# Altium PCB Mainboard_V1.0.PcbDoc (part 2 of 4) (continued)
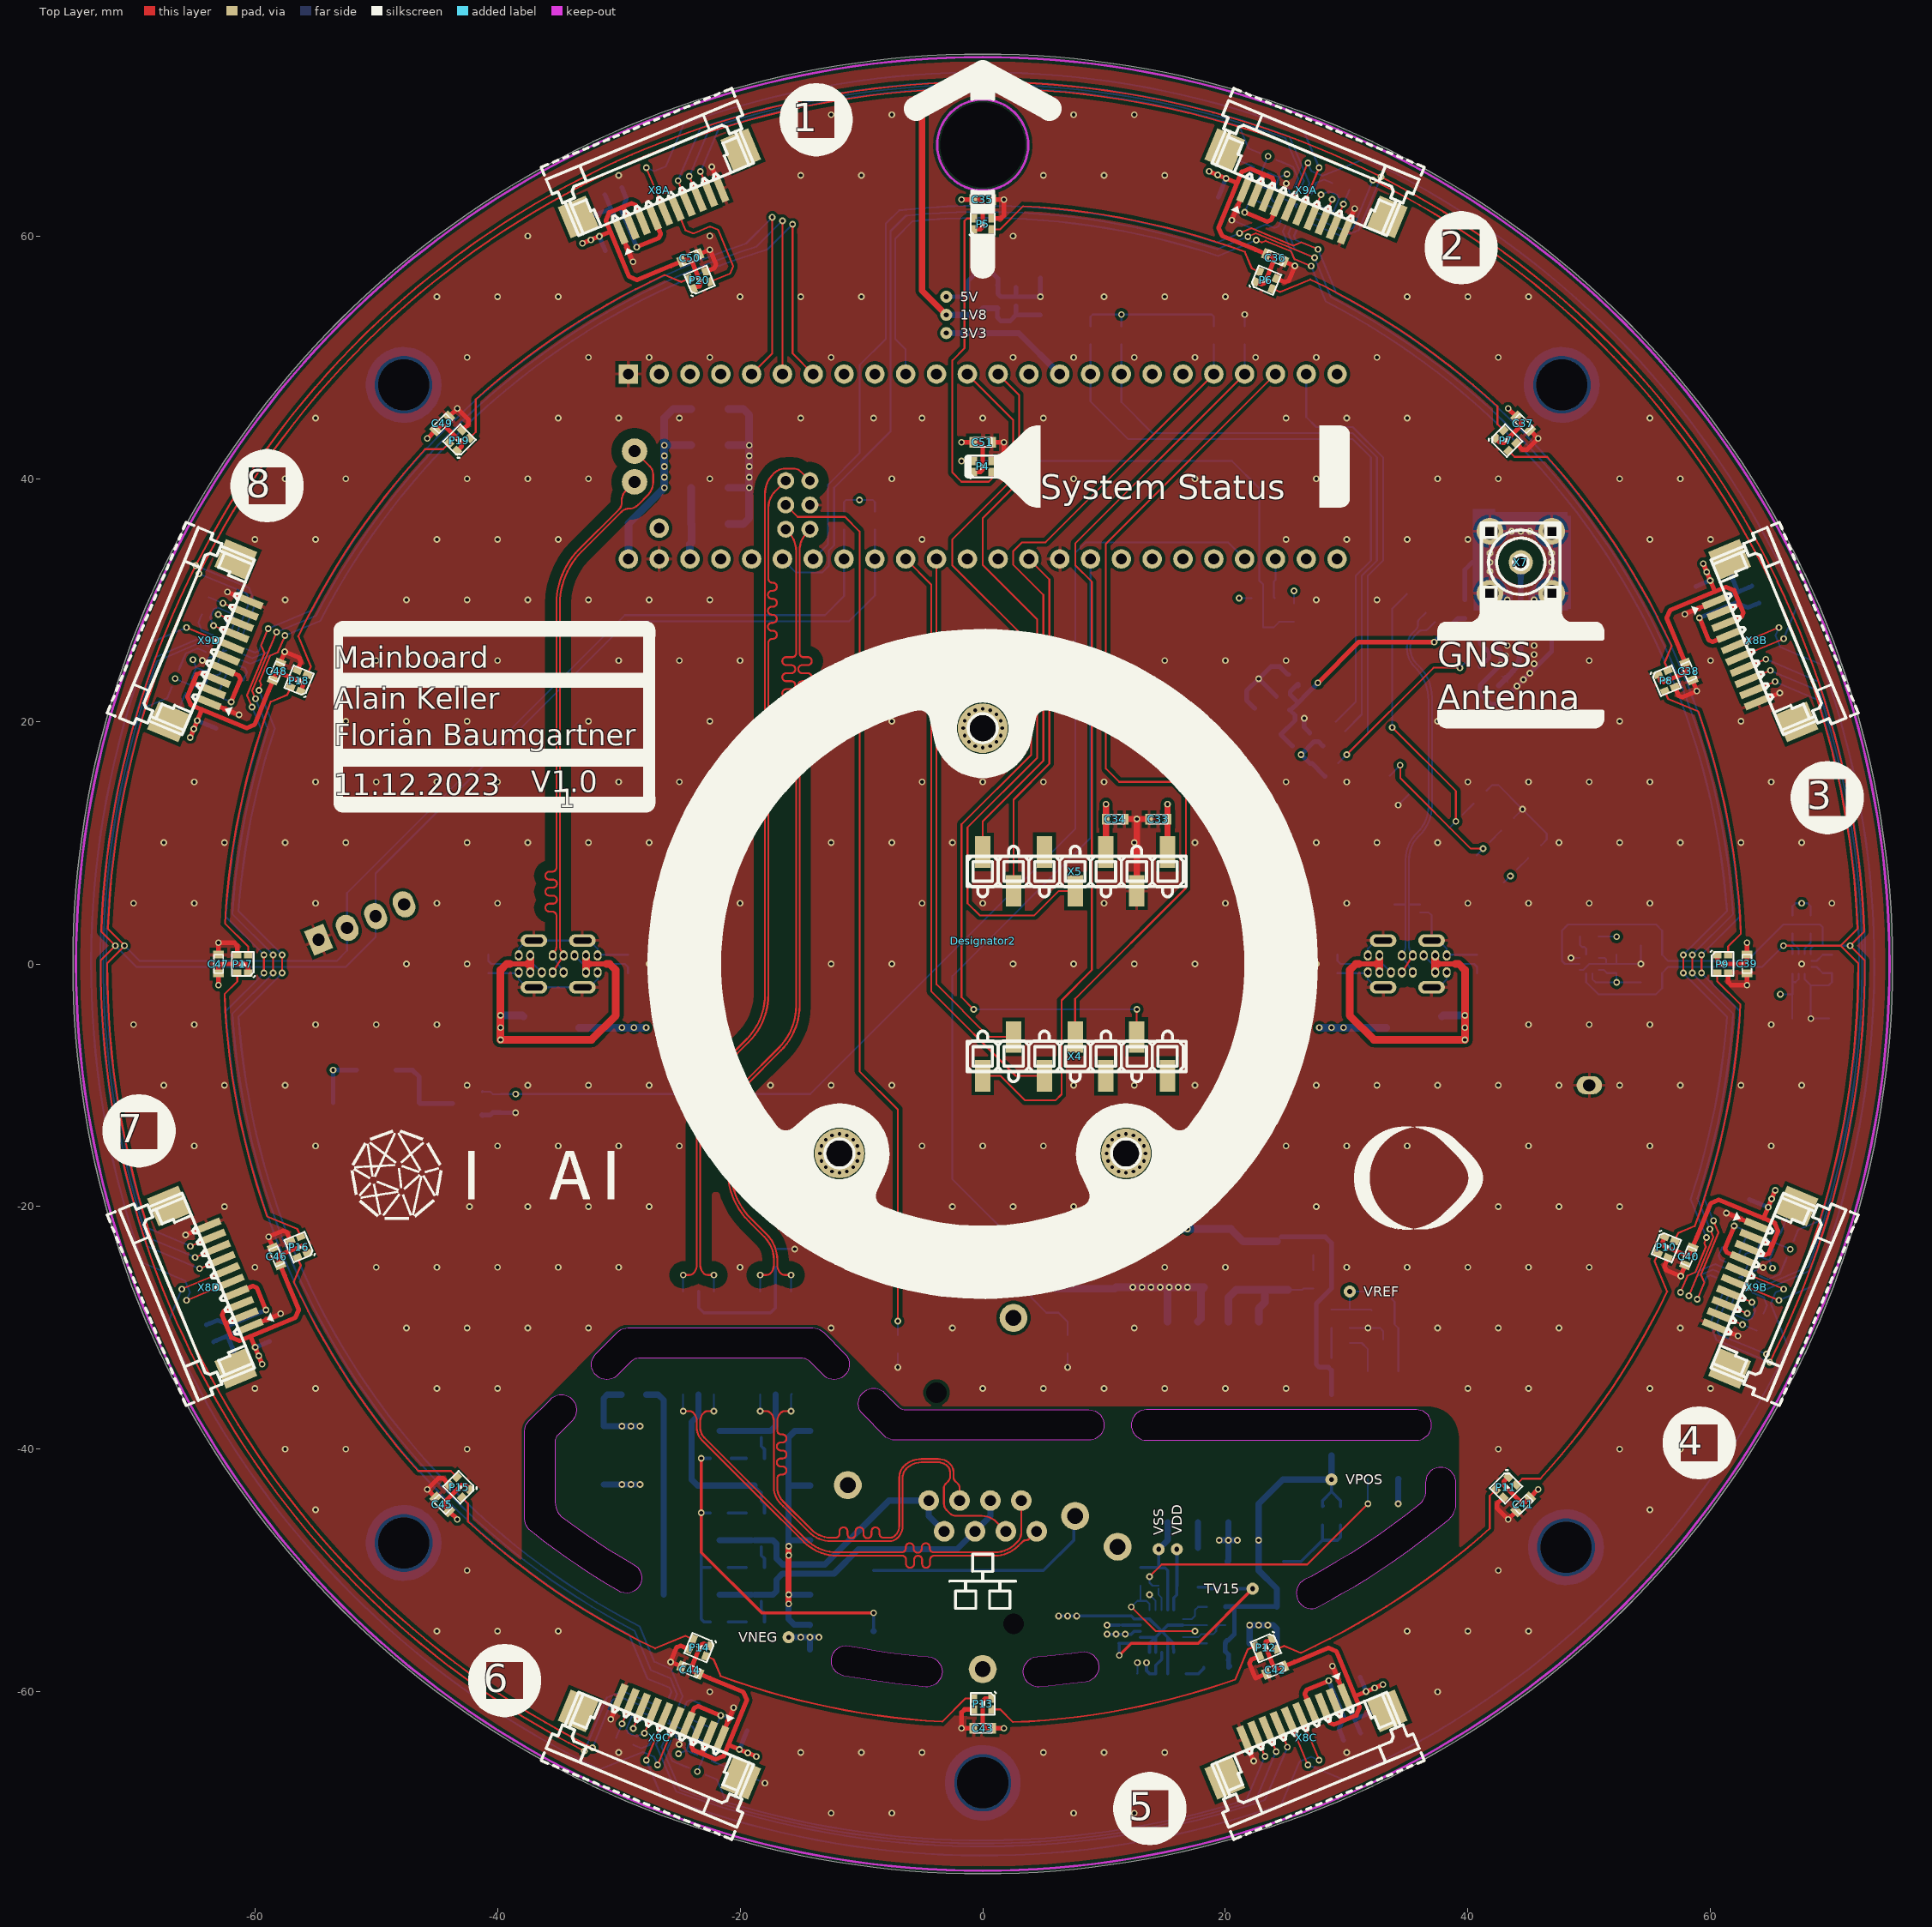
[diagram p0: Top Layer view]
## Nets (pads, with @x,y where several pads share a name; then routed paths per layer and width w, separated by ;. In a path a pad name is that pad's centre, name@x,y a point inside that pad or via, vN(x,y) a via of type N, cw(c..) or ccw(c..) an arc to the next point about the centre after c; other vN are vias at no path point) (continued)
  Top Layer w0.381: v1(-65.701,-22.345) -64.692,-21.926 X8D.10@-63.853,-21.578 ; X9D.1@-63.853,21.578 -63.011,21.23 -61.314,20.527 v1@-61.312,20.526 ; C47.1@-63,0.762 -63,0.889 v1(-63,1.75) -61.7,1.75 -61.45,1.5 P17.3@-61.45,0.877 ; v1(-62.257,30.658) -61.247,30.241 -60.408,29.894 X9D.10@-60.409,29.893 ; X8D.1@-59.568,-29.545 -57.871,-28.843 v1@-57.869,-28.842 ; C46.1@-58.496,-23.405 -58.545,-23.288 v1(-58.874,-22.492) -57.673,-21.995 -57.346,-22.13 P16.3@-57.108,-22.706 ; C48.1@-57.913,24.813 -57.864,24.93 v1(-57.535,25.726) -56.334,25.228 -56.198,24.902 P18.3@-56.437,24.326 ; C45.1@-45.087,-44.009 -45.176,-43.919 v1(-45.785,-43.31) -44.866,-42.391 -44.512,-42.391 P15.3@-44.072,-42.832 ; C49.1@-44.009,45.087 -43.919,45.176 v1(-43.31,45.785) -42.391,44.866 -42.391,44.512 P19.3@-42.832,44.072 ; v1(-30.658,-62.257) -30.241,-61.247 X9C.10@-29.893,-60.407 ; X8A.1@-29.545,59.568 -28.843,57.871 v1@-28.842,57.869 ; C44.1@-24.813,-57.913 -24.93,-57.864 v1(-25.726,-57.535) -25.228,-56.334 -24.902,-56.198 P14.3@-24.326,-56.437 ; C50.1@-23.405,58.496 -23.288,58.545 v1(-22.492,58.874) -21.995,57.673 -22.13,57.346 P20.3@-22.706,57.108 ; v1(-22.345,65.701) -21.926,64.692 X8A.10@-21.578,63.853 ; X9C.1@-21.578,-63.851 -21.23,-63.011 -20.527,-61.314 v1@-20.526,-61.312 ; P13.3@-0.877,-61.45 -1.5,-61.45 -1.75,-61.7 v1(-1.75,-63) -0.889,-63 C43.1@-0.762,-63 ; C51.1@0.762,43 0.889,43 v1(1.75,43) 1.75,41.7 1.5,41.45 P4.3@0.877,41.45 ; C35.1@0.762,63 0.889,63 v1(1.75,63) 1.75,61.7 1.5,61.45 P5.3@0.877,61.45 ; v1@20.526,61.312 20.527,61.314 21.23,63.011 X9A.1@21.578,63.853 ; X8C.10@21.578,-63.852 21.926,-64.692 v1(22.345,-65.701) ; P12.3@22.706,-57.108 22.13,-57.346 21.995,-57.673 22.492,-58.874 23.288,-58.545 C42.1@23.405,-58.496 ; P6.3@24.326,56.437 24.902,56.198 25.228,56.334 v1(25.726,57.535) 24.93,57.864 C36.1@24.813,57.913 ; v1@28.842,-57.869 28.843,-57.871 X8C.1@29.545,-59.568 ; X9A.10@29.893,60.407 29.894,60.408 30.241,61.247 v1(30.658,62.257) ; P11.3@42.832,-44.072 42.391,-44.512 42.391,-44.866 v1(43.31,-45.785) 43.919,-45.176 C41.1@44.009,-45.087 ; P7.3@44.072,42.832 44.512,42.391 44.866,42.391 v1(45.785,43.31) 45.176,43.919 C37.1@45.087,44.009 ; P10.3@56.437,-24.326 56.198,-24.902 56.334,-25.228 v1(57.535,-25.726) 57.864,-24.93 C40.1@57.913,-24.813 ; P8.3@57.108,22.706 57.346,22.13 57.673,21.995 v1(58.874,22.492) 58.545,23.288 C38.1@58.496,23.405 ; v1@57.869,28.842 57.871,28.843 X8B.1@59.568,29.545 ; X9B.10@60.407,-29.893 60.408,-29.894 61.247,-30.241 v1(62.257,-30.658) ; v1@61.312,-20.526 61.314,-20.527 63.011,-21.23 X9B.1@63.851,-21.578 ; P9.3@61.45,-0.877 61.45,-1.5 61.7,-1.75 v1(63,-1.75) 63,-0.889 C39.1@63,-0.762 ; X8B.10@63.853,21.578 64.692,21.926 v1(65.701,22.345)
  Top Layer w0.508: C34.1@11.684,11.938 v1(12.7,11.938) ; X5.6@12.7,6.02 v1(12.7,11.938) ; C33.1@13.716,11.938 v1(12.7,11.938)
  Mid-Layer 2 w0.152: X1.B1@-38.25,-0.7 X1.A12@-38.25,0.7 ; X6.G1@33,-1.93 X6.G2@37,-1.93 ; X6.G3@33,1.93 X6.G4@37,1.93 ; X6.A12@38.25,-0.7 X6.B1@38.25,0.7
  Mid-Layer 2 w0.381: v1(-65.701,-22.345) -65.008,-22.058 -64.355,-22.328 -62.155,-27.64 -61.294,-29.719 -60.66,-29.981 v1(-57.877,-28.828) ; v1(-64.322,25.019) -64.091,24.924 -63.398,24.637 ; -63.494,-24.407 v1(-58.874,-22.492) ; v1(-62.257,30.658) -61.564,30.371 -61.293,29.718 -62.154,27.639 ; v1(-61.309,20.541) -64.092,21.694 -64.355,22.327 -63.493,24.406 -63.398,24.637 ; v1(-57.535,25.726) -62.154,27.639 ; v1(-30.658,-62.257) -30.371,-61.564 -29.718,-61.293 -27.639,-62.154 ; v1(-28.828,57.877) -29.981,60.66 -29.719,61.294 -27.64,62.155 -22.328,64.355 -22.058,65.008 v1(-22.345,65.701) ; v1(-25.726,-57.535) -27.639,-62.154 ; v1(-25.019,-64.322) -24.924,-64.091 -24.637,-63.398 ; -24.407,63.494 v1(-22.492,58.874) ; v1(-20.541,-61.309) -21.694,-64.092 -22.327,-64.355 -24.406,-63.493 -24.637,-63.398 ; v1(20.541,61.309) 21.694,64.092 22.327,64.355 24.406,63.493 24.637,63.398 ; v1(22.345,-65.701) 22.058,-65.008 22.328,-64.355 27.64,-62.155 29.719,-61.294 29.981,-60.66 v1(28.828,-57.877) ; 22.493,-58.875 24.407,-63.494 ; v1(25.019,64.322) 24.924,64.091 24.637,63.398 ; v1(25.726,57.535) 27.639,62.154 ; v1(30.658,62.257) 30.371,61.564 29.718,61.293 27.639,62.154 ; v1(57.535,-25.726) 62.154,-27.639 ; v1(57.877,28.828) 60.66,29.981 61.294,29.719 62.155,27.64 64.355,22.328 65.008,22.058 v1(65.701,22.345) ; v1@58.875,22.493 63.494,24.407 ; v1(61.309,-20.541) 64.092,-21.694 64.355,-22.327 63.493,-24.406 63.398,-24.637 ; v1(62.257,-30.658) 61.564,-30.371 61.293,-29.718 62.154,-27.639 ; v1(64.322,-25.019) 64.091,-24.924 63.398,-24.637 ; -63.398,24.637 -62.154,27.639 ; -27.639,-62.154 -24.637,-63.398 ; 24.637,63.398 27.639,62.154 ; 62.154,-27.639 63.398,-24.637
  Mid-Layer 2 w0.635: U2.1@-29.21,48.62 -23.34,42.75 v1(-19.25,42.75) ; U2.47@-26.67,33.38 -20.8,39.25 v1(-19.25,39.25) v1(-19.25,40.125) v1(-19.25,41) v1(-19.25,41.875) v1(-19.25,42.75) ; U2.52@-14.24,37.83 -12.92,37.83 -12.25,38.5 -12.25,42 -13,42.75 v1(-19.25,42.75) ; v1(-7,-33.25) v1(7,-33.25) 7,-32.025 v1(12.375,-26.65) v1(13.125,-26.65) v1(13.875,-26.65) v1(14.625,-26.65) v1(15.375,-26.65) v1(16.125,-26.65) v1(16.875,-26.65) 16.9,-26.65 20.25,-30 v1(31.75,-30)
  Bottom Layer w0.152: C62D.1@-66.393,20.736 -66.07,21.483 -65.799,22.111 -65.763,22.195 -65.706,22.194 -65.705,22.194 C61D.1@-65.363,22.192 ; C61D.1@-65.704,22.333 C61D.1@-65.363,22.192 ; v1(-64.322,25.019) -63.338,25.426 U7D.PAD@-62.692,25.694 ; U7D.15@-63.165,24.541 -63.081,24.745 U7D.PAD@-62.692,25.694 ; U7D.PAD@-62.596,25.927 U7D.PAD@-62.692,25.694 ; U7D.PAD@-62.362,25.831 U7D.PAD@-62.362,25.831 U7D.PAD@-62.692,25.694 ; v1(-61.309,20.541) -63.054,21.239 C57D.1@-63.396,21.376 -63.736,21.517 -64.209,21.713 C58D.1@-64.549,21.854 ; R3.2@-40.75,-0.762 -38.312,-0.762 X1.B1@-38.25,-0.7 -38.25,-1.25 -37.57,-1.93 X1.G4@-37,-1.93 X1.G3@-33,-1.93 -32.43,-1.93 -31.75,-1.25 X1.B12@-31.75,-0.7 ; X1.A12@-38.25,0.7 -38.25,1.25 -37.57,1.93 X1.G2@-37,1.93 X1.G1@-33,1.93 -32.43,1.93 -31.75,1.25 X1.A1@-31.75,0.7 -31.688,0.762 R4.2@-29.25,0.762 ; U7C.PAD@-25.928,-62.596 U7C.PAD@-25.694,-62.692 ; U7C.PAD@-25.831,-62.36 U7C.PAD@-25.694,-62.692 ; v1(-25.019,-64.322) -25.426,-63.338 U7C.PAD@-25.694,-62.692 ; U7C.15@-24.541,-63.165 -24.745,-63.081 U7C.PAD@-25.694,-62.692 ; C61C.1@-22.333,-65.704 C61C.1@-22.192,-65.363 ; C57C.1@-21.376,-63.396 -21.517,-63.736 -21.713,-64.209 C58C.1@-21.854,-64.549 ; v1(-17.955,-67.518) -19.983,-66.696 C62C.1@-20.736,-66.391 -21.483,-66.07 -22.111,-65.799 -22.195,-65.763 -22.194,-65.705 C61C.1@-22.192,-65.363 ; C8.2@-17,-23.488 -15.512,-23.488 v1(-15.5,-23.5) ; v1(-7,-33.25) P1.K@-7,-32.1 ; v1(7,-33.25) P2.K@7,-32.1 ; C62A.1@20.736,66.393 21.483,66.07 22.111,65.799 22.195,65.763 22.194,65.706 22.194,65.705 C61A.1@22.192,65.363 ; R30.1@21.59,52.578 v1(21.59,53.532) ; C58A.1@21.854,64.549 21.713,64.209 21.517,63.736 C57A.1@21.376,63.396 21.239,63.054 v1(20.541,61.309) 22.142,60.643 22.373,60.547 22.7,60.682 23.353,60.953 24.046,60.666 24.373,60.801 24.48,61.058 U7A.12@24.564,61.261 ; C58A.1@21.854,64.55 21.995,64.889 C61A.1@22.192,65.363 ; C61A.1@22.333,65.704 C61A.1@22.192,65.363 ; U7A.15@24.541,63.165 U7A.15@24.745,63.081 ; U7A.15@24.745,63.081 U7A.PAD@25.694,62.692 ; v1(25.019,64.322) 25.426,63.338 U7A.PAD@25.694,62.692 ; U7A.PAD@25.831,62.362 U7A.PAD@25.831,62.362 U7A.PAD@25.694,62.692 ; U7A.PAD@25.927,62.596 U7A.PAD@25.694,62.692 ; R35.2@29.25,-0.762 31.688,-0.762 X6.A1@31.75,-0.7 31.75,-1.25 32.43,-1.93 X6.G1@33,-1.93 ; R23.2@30.25,-30.012 30.262,-30 v1(31.75,-30) 32.75,-30 33,-30.25 D13.3@33,-30.95 ; X6.B12@31.75,0.7 31.75,1.25 32.43,1.93 X6.G3@33,1.93 ; v1(34.247,13.098) U6.13@35.108,13.959 ; D16.2@36.05,4.25 36.75,4.25 37,4 X6.G4@37,1.93 37.57,1.93 38.25,1.25 X6.B1@38.25,0.7 38.312,0.762 R34.2@40.75,0.762 ; X6.G2@37,-1.93 37.57,-1.93 38.25,-1.25 X6.A12@38.25,-0.7 ; P21.K@41.53,14.28 42,14.75 42.5,14.75 v1(44.5,12.75) ; P22.K@43.78,12.03 v1(44.5,12.75) ; P3.K@46.03,9.78 46.5,10.25 46.5,10.75 v1(44.5,12.75) ; v1(48.5,0.5) U4.5@49.2,0.5 U4.5@49.209,0.491 ; U4.3@49.209,-0.491 49.509,-0.491 50,0 U4.9@50.8,0 51.4,0 ; U4.8@50.8,0.5 51.25,0.5 51.4,0.35 51.4,0 ; C29.1@52.25,0.762 52.25,0 ; C28.1@54.25,1.524 v1(54.25,0) 52.25,0 ; v1(61.309,-20.541) 61.897,-20.766 R1.1@62.241,-20.897 62.243,-20.898 62.581,-21.038 63.055,-21.235 C57B.1@63.396,-21.376 63.736,-21.517 64.209,-21.713 C58B.1@64.55,-21.854 ; U7B.PAD@62.36,-25.831 U7B.PAD@62.362,-25.831 U7B.PAD@62.692,-25.694 ; U7B.PAD@62.596,-25.927 U7B.PAD@62.692,-25.694 ; U7B.15@63.081,-24.745 U7B.15@63.165,-24.541 ; U7B.15@63.081,-24.745 U7B.PAD@62.692,-25.694 ; v1(64.322,-25.019) 63.338,-25.426 U7B.PAD@62.692,-25.694 ; C61B.1@65.704,-22.333 C61B.1@65.363,-22.192 ; C62B.1@66.393,-20.736 66.07,-21.483 65.799,-22.111 65.763,-22.195 65.706,-22.194 65.705,-22.194 C61B.1@65.363,-22.192 ; U5.8@67.75,-0.81 67.75,-1.25 68,-1.5 68.262,-1.762 ; U5.6@68.31,-0.25 68.75,-0.25 69.262,-0.762 C32.1@70,-0.762 70,-1.5 69.738,-1.762 68.262,-1.762 ; C30.1@69.774,-4.5 v1(68.262,-4.5) C31.1@68.262,-2.5 68.262,-1.762 ; C61D.1@-65.363,22.192 -64.889,21.995 C58D.1@-64.55,21.855 ; C58D.1@-64.55,21.855 C58D.1@-64.549,21.854 ; C58D.1@-64.55,21.855 C58D.1@-64.549,21.854 ; C61C.1@-22.192,-65.363 C58C.1@-21.995,-64.889 ; C58C.1@-21.995,-64.889 C58C.1@-21.854,-64.549 ; C58C.1@-21.995,-64.889 C58C.1@-21.854,-64.549 ; 51.4,0 52.25,0 ; C58B.1@64.55,-21.854 C58B.1@64.55,-21.855 ; C58B.1@64.55,-21.854 C58B.1@64.55,-21.855 ; C58B.1@64.55,-21.855 64.889,-21.995 C61B.1@65.363,-22.192
  Bottom Layer w0.381: C59D.1@-63.406,-31.147 -63.173,-31.047 -63.141,-31.034 -62.489,-30.754 cw(c-62.339,-31.105) -62.487,-30.754 -62.486,-30.753 -62.257,-30.658 ; C60D.1@-61.609,-32.284 -61.872,-31.588 ccw(c-62.228,-31.722) -61.876,-31.577 -62.257,-30.658 ; v1(-57.877,-28.828) -62.257,-30.658 ; K2.S@-41.261,-12.411 K2.S@-41.3,-12.45 K2.S@-41.239,-12.511 ; K2.S@-41.239,-12.461 -40.611,-12.461 -40.4,-12.25 -39.762,-12.25 R31.1@-39.75,-12.262 v1(-38.512,-12.262) ; C60A.1@-32.284,61.609 -31.588,61.872 ccw(c-31.722,62.228) -31.577,61.876 -30.658,62.257 ; C59A.1@-31.148,63.407 -31.047,63.173 -31.034,63.141 -30.754,62.489 cw(c-31.105,62.339) -30.754,62.487 -30.753,62.486 -30.658,62.257 ; v1(-28.828,57.877) -30.658,62.257 ; C1.1@0.762,57.75 0.75,57.738 0.75,57 1.25,56.5 1.25,56 U1.1@1.2,55.95 1.25,55.9 1.25,55.25 1.5,55 2.75,55 ; C2.1@2.75,55.762 2.75,55 ; C3.1@4.75,56.524 v1(4.75,55) 2.75,55 ; C53.1@22.422,21.078 21.75,21.75 21.75,22.5 v1(22.75,23.5) ; C55.2@24.211,22.039 v1(22.75,23.5) ; U6.24@25.209,23.858 25.142,23.858 24.5,24.5 23.75,24.5 v1(22.75,23.5) ; v1(26.5,20.25) 26.5,19.519 26.961,19.058 C52.2@26.961,19.039 ; v1(28.828,-57.877) 30.658,-62.257 ; C59C.1@31.147,-63.406 31.047,-63.173 31.034,-63.141 30.754,-62.489 cw(c31.105,-62.339) 30.754,-62.487 30.753,-62.486 30.658,-62.257 ; C60C.1@32.284,-61.609 31.588,-61.872 ccw(c31.722,-62.228) 31.577,-61.876 30.658,-62.257 ; C54.1@39.75,30.012 39.75,32.5 40.355,33.105 v1(41.805,33.105) ; X7.2@41.805,30.555 v1(41.805,33.105) ; C56.2@42.25,26.988 42.25,26.25 42.698,25.802 v1(42.698,24.659) U6.10@41.755,23.717 41,22.962 41,22.25 41.844,21.406 42.556,21.406 U6.12@43.311,22.161 46.905,25.755 X7.2@46.905,30.555 X7.2@46.905,35.655 X7.2@41.805,35.655 v1(41.805,33.105) ; v1(57.877,28.828) 62.257,30.658 ; C60B.1@61.609,32.284 61.872,31.588 ccw(c62.228,31.722) 61.876,31.577 62.257,30.658 ; C59B.1@63.407,31.148 63.173,31.047 63.141,31.034 62.489,30.754 cw(c62.339,31.105) 62.487,30.754 62.486,30.753 62.257,30.658
  Bottom Layer w0.635: C5.1@-20.976,36.25 -19.75,36.25 -19.25,36.75 v1(-19.25,39.25) ; C4.M@-20.976,39.25 v1(-19.25,39.25) ; C6.M@-20.976,42.75 v1(-19.25,42.75) ; C7.1@-20.976,45.75 -19.75,45.75 -19.25,45.25 v1(-19.25,42.75) ; C18.1@6,-26.774 10.876,-26.774 C17.M@11,-26.65 v1(12.375,-26.65) v1(13.125,-26.65) v1(13.875,-26.65) v1(14.625,-26.65) v1@15.25,-26.65 ; T2.10@15.25,-29.475 v1@15.25,-26.65 ; T2.9@17.75,-29.475 18,-29.225 18,-26.9 C16.M@18.25,-26.65 v1(16.875,-26.65) v1(16.125,-26.65) v1(15.375,-26.65) v1@15.25,-26.65 ; v1(-19.25,39.25) v1(-19.25,40.125) v1(-19.25,41) v1(-19.25,41.875) v1(-19.25,42.75)
  other v1: -12.5,-70 -7.5,-70 7.5,-70 12.5,-70 -30,-65 -15,-65 -10,-65 -5,-65 5,-65 10,-65 15,-65 30,-65 -37.5,-60 -22.5,-60 37.5,-60 -45,-55 -40,-55 -35,-55 35,-55 40,-55 45,-55 -42.5,-50 42.5,-50 -55,-45 55,-45 -57.5,-40 -52.5,-40 -42.5,-40 42.5,-40 52.5,-40 57.5,-40 -60,-35 -55,-35 -45,-35 -40,-35 0,-35 5,-35 10,-35 15,-35 20,-35 25,-35 40,-35 45,-35 55,-35 60,-35 -47.5,-30 -42.5,-30 -37.5,-30 -32.5,-30 -12.5,-30 -2.5,-30 12.5,-30 37.5,-30 42.5,-30 47.5,-30 57.5,-30 -60,-25 -50,-25 -45,-25 -40,-25 -35,-25 -30,-25 -20,-25 -10,-25 -5,-25 0,-25 15,-25 20,-25 30,-25 35,-25 40,-25 45,-25 50,-25 -62.5,-20 -42.3,-20 -37.5,-20 -32.5,-20 -27.5,-20 -17.5,-20 -12.5,-20 -2.5,-20 2.5,-20 7.5,-20 12.5,-20 27.5,-20 42.5,-20 47.5,-20 52.5,-20 -65,-15 -55,-15 -40,-15 -35,-15 -30,-15 -25,-15 -15,-15 -5,-15 0,-15 5,-15 20,-15 25,-15 30,-15 35,-15 45,-15 55,-15 65,-15 -67.5,-10 -62.5,-10 -57.5,-10 -42.5,-10 -37.5,-10 -32.5,-10 -27.5,-10 -17.5,-10 -12.5,-10 -7.5,-10 7.5,-10 12.5,-10 17.5,-10 22.5,-10 27.5,-10 32.5,-10 37.5,-10 42.5,-10 47.5,-10 52.5,-10 57.5,-10 62.5,-10 67.5,-10 -70,-5 -65,-5 -55,-5 -50,-5 -45,-5 45,-5 50,-5 55,-5 65,-5 -47.5,0 -42.5,0 -27.5,0 -22.5,0 -12.5,0 -7.5,0 2.5,0 7.5,0 12.5,0 17.5,0 22.5,0 27.5,0 67.5,0 -70,5 -65,5 -55,5 -45,5 -40,5 -25,5 -20,5 -5,5 0,5 10,5 20,5 25,5 30,5 40,5 45,5 50,5 55,5 70,5 -67.5,10 -62.5,10 -57.5,10 -52.5,10 -42.5,10 -37.5,10 -32.5,10 -27.5,10 -22.5,10 -12.5,10 -7.5,10 -2.5,10 12.5,10 17.5,10 22.5,10 27.5,10 32.5,10 37.5,10 47.5,10 52.5,10 57.5,10 62.5,10 67.5,10 -65,15 -55,15 -50,15 -45,15 -40,15 -30,15 -25,15 -20,15 -5,15 0,15 5,15 10,15 20,15 25,15 30,15 40,15 45,15 50,15 55,15 65,15 -52.5,20 -47.5,20 -42.5,20 -32.5,20 -27.5,20 -22.5,20 -12.5,20 -7.5,20 12.5,20 17.5,20 37.5,20 42.5,20 47.5,20 52.5,20 62.5,20 44.047,22.898 44.577,23.428 45.108,23.958 45.46,24.75 -50,25 -45,25 -40,25 -30,25 -25,25 -20,25 -5,25 0,25 15,25 20,25 25,25 50,25 60,25 43.1,25.4 45.46,25.5 43.25,26.25 45.46,26.25 43.25,27 45.46,27 43.25,27.75 45.46,27.75 45.46,28.5 43.25,29.25 45.46,29.25 -57.5,30 -47.5,30 -42.5,30 -37.5,30 -32.5,30 -27.5,30 -22.5,30 27.5,30 32.5,30 43.25,30 45.46,30 41.805,32.355 46.905,32.355 46.905,33.105 41.805,33.855 46.905,33.855 -60,35 -55,35 -45,35 -40,35 -35,35 -5,35 25,35 30,35 35,35 40,35 55,35 60,35 43.605,35.655 44.355,35.655 45.105,35.655 -57.5,40 -52.5,40 -42.5,40 -37.5,40 -32.5,40 -22.5,40 -7.5,40 7.5,40 17.5,40 27.5,40 37.5,40 42.5,40 52.5,40 57.5,40 -55,45 -35,45 -30,45 -25,45 -15,45 -9,45 -5,45 0,45 5,45 25,45 30,45 35,45 55,45 -42.5,50 -32.5,50 -27.5,50 -22.5,50 -12.5,50 2.5,50 7.5,50 12.5,50 17.5,50 22.5,50 27.5,50 32.5,50 42.5,50 -45,55 -40,55 -35,55 -20,55 -15,55 -10,55 10,55 15,55 20,55 35,55 40,55 45,55 -37.5,60 -22.5,60 2.5,60 37.5,60 -30,65 -15,65 -10,65 5,65 10,65 15,65 -12.5,70 -7.5,70 7.5,70 12.5,70
GPS_USB_D_N: D16.6 U6.5 X6.A7 X6.B7 | length 32.2
  Top Layer w0.152: X6.B7@34.55,0.64 X6.B7@34.589,0.64 ; X6.A7@35.412,-0.64 35.45,-0.64 X6.A7@35.45,-0.7
  Bottom Layer w0.152: D16.6@33.95,4.9 34.86,4.9 ; X6.B7@34.588,0.64 X6.A7@35.412,-0.64 ; X6.B7@34.64,0.918 ccw(c34.109,1.449) 34.86,1.449 34.86,4.9 ; U6.5@36.522,28.949 35.971,28.398 ccw(c36.213,28.157) 35.871,28.157 35.871,27.948 cw(c35.315,27.948) 35.708,27.555 35.452,27.298 ccw(c36.613,26.137) 34.971,26.137 34.971,26 ccw(c37.061,26) 35.583,24.522 cw(c32.765,21.704) 36.75,21.704 36.75,13 cw(c33.732,13) 35.866,10.866 35.75,10.75 ccw(c37.898,8.602) 34.86,8.602 34.86,4.9
GPS_USB_D_P: D16.1 U6.6 X6.A6 X6.B6 | length 31.9
  Top Layer w0.152: X6.A6@34.588,-0.64 X6.B6@35.412,0.64
  Bottom Layer w0.152: 35.14,4.9 D16.1@36.05,4.9 ; X6.B6@35.36,0.918 cw(c35.891,1.449) 35.14,1.449 35.14,8.602 cw(c37.898,8.602) 35.948,10.552 36.064,10.669 ccw(c33.732,13) 37.029,13 37.029,22.015 ccw(c33.515,22.015) 36,24.5 35.78,24.72 cw(c37.061,26) 35.25,26 35.25,26.137 cw(c36.613,26.137) 35.649,27.101 35.906,27.357 cw(c36.25,27.013) 36.25,27.5 36.459,27.5 ccw(c36.459,27.841) 36.7,27.6 37.251,28.151 cw(c37.3,28.102) U6.6@37.3,28.172
HMI_BUZZER: K2.G R31.2 U2.28 | length 95.8
  Bottom Layer w0.152: K2.G@-41.249,-10.577 -41.288,-10.538 K2.G@-41.227,-10.477 ; K2.G@-41.227,-10.527 -40.599,-10.527 -40.388,-10.738 R31.2@-39.75,-10.738 -39.738,-10.726 v1(-38.5,-10.726) -14.226,-10.726 7.625,11.125 7.625,33.875 8.5,34.75 20.22,34.75 U2.28@21.59,33.38
HMI_LCD_BL: R30.2 U2.21 X4.7 | length 76.7
  Top Layer w0.152: X4.7@0,-9.22 1.47,-9.22 3.5,-11.25 6,-11.25 6.5,-10.75 6.5,-3 9,-0.5 9,31.5 7.625,32.875 7.625,34.655 U2.21@21.59,48.62
  Bottom Layer w0.152: U2.21@21.59,48.62 R30.2@21.59,51.054
HMI_LCD_C\S\: U2.12 X4.2 | length 77.2
  Top Layer w0.152: U2.12@-1.27,48.62 2.5,44.85 2.5,40 -2.5,35 -2.5,32.84 4,26.34 4,17.25 -1.75,11.5 -1.75,-2.75 v1(-0.75,-3.75) ; X4.2@12.7,-6.02 v1(12.7,-3.75)
  Bottom Layer w0.152: v1(-0.75,-3.75) v1(12.7,-3.75)
HMI_LCD_DC: U2.22 X4.4 | length 69.6
  Top Layer w0.152: X4.4@7.62,-6.02 7.62,-2.88 16.75,6.25 16.75,14 15.75,15 11.25,15 10.15,16.1 10.15,34.64 U2.22@24.13,48.62
HMI_LCD_MOSI: U2.13 X5.4 | length 59.9
  Top Layer w0.152: U2.13@1.27,48.62 3,46.89 3,39.75 0,36.75 0,32.88 4.5,28.38 4.5,17 -1.25,11.25 -1.25,5 -0.25,4 4.25,4 6.27,6.02 X5.4@7.62,6.02
HMI_LCD_SCLK: U2.35 X5.2 | length 29.3
  Top Layer w0.152: X5.2@2.54,6.02 2.54,13.54 5.5,16.5 5.5,31.69 U2.35@3.81,33.38
HMI_TCH_I\N\T\: R29.1 U2.20 X5.1 | length 52.9
  Top Layer w0.152: X5.1@0,9.22 0,11.75 5,16.75 5,30.42 2.5,32.92 2.5,34 3.25,34.75 5.18,34.75 U2.20@19.05,48.62
  Bottom Layer w0.152: U2.20@19.05,48.62 R29.1@19.05,51.054
NetC8_1: C8.1 T1.2 T1.7 | length 11.4
  Bottom Layer w0.254: T1.2@-23.425,-26.995 -23.425,-28.325 -23,-28.75 -17.5,-28.75 -17.075,-28.325 T1.7@-17.075,-26.995 -17.075,-25.087 C8.1@-17,-25.012
NetC9_2: C9.2 C10.P C11.2 C12.2 C13.1 C14.1 C19.1 L1.2 R6.1 R9.1 R10.1 T2.4 TP5.1 U3.2 U3.13 | length 113.9
  Mid-Layer 1 w0.508: v1(-29.75,-38.1) v1(-29,-38.1) v1(-28.25,-38.1) -23.15,-38.1 -9.25,-52 9,-52 ; v1(13.5,-57.6) 13.5,-57 12.75,-56.25 10,-56.25 9,-55.25 9,-52 ; v1(22.75,-47.5) 21.75,-46.5 19.25,-46.5 v1(13.75,-52) 9,-52
  Bottom Layer w0.152: v1(13.75,-52) 14.25,-52.5 U3.2@14.25,-53.25
  Bottom Layer w0.254: v1(13.5,-57.6) 13.5,-58.25 13.75,-58.5 C13.1@14.262,-58.5 14.262,-57.813 14.75,-57.325 U3.13@14.75,-56.75 ; C14.1@28.062,-44.676 C14.1@28,-44.738 28,-44.25 28.75,-43.5 ; TP5.1@28.75,-42.5 28.75,-43.5 ; R6.1@29.5,-44.738 29.5,-44.25 28.75,-43.5
  Bottom Layer w0.381: R10.1@20.012,-53 20.036,-52.976 20.75,-52.976 ; C19.1@20.245,-57.369 C19.1@20.266,-57.39 ; C19.1@20.381,-57.885 C19.1@20.266,-58 C19.1@20.266,-57.39 ; C12.2@24.25,-52.976 C11.2@22,-52.976 20.75,-52.976 ; C19.1@20.266,-57.39 20.266,-56.928 20,-56.662 20,-56.012 R9.1@20.012,-56 20.012,-55.873 20.139,-55.746 20.254,-55.746 20.75,-55.25 20.75,-52.976
  Bottom Layer w0.508: L1.2@-29.766,-35.5 -30.952,-35.5 -31.25,-35.798 C10.P@-31.25,-38.1 v1(-29.75,-38.1) v1(-29,-38.1) v1(-28.25,-38.1) ; C12.2@24.25,-52.976 24.25,-51.5 22.75,-50 22.75,-48 22.75,-47.75 T2.4@22.75,-46.025 22.75,-44.5 24.75,-42.5 TP5.1@28.75,-42.5 C9.2@28.75,-40.5
NetC10_M: C10.M C11.1 C12.1 C13.2 C24.2 C25.1 K1.3 R22.2 T2.1 TP8.1 U3.4 U3.19 | length 112.4
  Mid-Layer 2 w0.508: v1(-29.75,-42.9) v1(-29,-42.9) v1(-28.25,-42.9) -15.6,-42.9 -7.25,-51.25 10.25,-51.25 ; v1(10.25,-54.5) 10.25,-51.25 ; v1(12.75,-57.6) 12.75,-56 14.5,-54.25 14.5,-51.25 ; TP8.1@14.5,-48.25 14.5,-51.25 ; v1(23.5,-54.5) v1(22.75,-54.5) v1(22,-54.5) 20.75,-53.25 20.75,-51.25 ; v1(34.25,-44.5) 33,-45.75 26.25,-45.75 20.75,-51.25 ; 10.25,-51.25 14.5,-51.25 ; 14.5,-51.25 20.75,-51.25
  Bottom Layer w0.152: C25.1@11.25,-54.488 C25.1@11.493,-54.488 ; C13.2@12.738,-58.5 12.75,-58.488 v1(12.75,-57.6)
  Bottom Layer w0.254: v1(10.25,-54.5) 11.238,-54.5 C25.1@11.25,-54.488 ; C25.1@11.493,-54.5 U3.19@13,-54.5 ; R22.2@13.012,-49.75 C24.2@14.488,-49.75 14.514,-49.776 C24.2@14.538,-49.776 ; TP8.1@14.5,-48.25 14.5,-49.738 C24.2@14.538,-49.776 ; U3.4@15.25,-53.25 15.25,-51.75 15.25,-49.988 15.038,-49.776 C24.2@14.538,-49.776
  Bottom Layer w0.508: C10.M@-31.25,-42.9 v1(-29.75,-42.9) v1(-29,-42.9) v1(-28.25,-42.9) ; TP8.1@14.5,-48.25 15.25,-47.5 T2.1@15.25,-46.025 ; C11.1@22,-56.024 v1(22,-54.5) v1(22.75,-54.5) v1(23.5,-54.5) 23.952,-54.5 24.25,-54.798 C12.1@24.25,-56.024 ; v1(34.25,-44.5) 34.25,-42.465 K1.3@34.27,-42.445
NetC14_2: C14.2 D3.K R6.2 | length 7.8
  Bottom Layer w0.254: D3.K@24.8,-49.25 26.25,-49.25 28,-47.5 ; C14.2@28,-46.262 28,-47.5 ; R6.2@29.5,-46.262 29.5,-47.25 29.25,-47.5 28,-47.5
NetC15_1: C15.1 R7.2 | length 1.2
  Bottom Layer w0.152: C15.1@27.25,-25.238 R7.2@27.25,-24.012
NetC15_2: C15.2 D2.A T2.7 T2.8 | length 12.1
  Bottom Layer w0.152: D2.A@25.17,-26.862 26.338,-26.862 26.438,-26.762 C15.2@27.25,-26.762
  Bottom Layer w0.635: T2.8@20.25,-29.475 20.25,-27.5 20.888,-26.862 D2.A@23.33,-26.862 ; T2.7@22.75,-29.475 22.75,-28.4 23.25,-27.9 23.25,-26.942 D2.A@23.33,-26.862 ; D2.A@25.17,-26.862 D2.A@23.33,-26.862
NetC19_2: C19.2 R20.1 | length 1.7
  Bottom Layer w0.254: R20.1@16.762,-58.5 17.789,-58.5 18.234,-58.055 C19.2@18.234,-58
NetC20_1: C20.1 D7.A D12.K X2.7 X2.8 | length 25.6
  Bottom Layer w0.254: D12.K@-18.25,-48.05 -18.25,-48.75 -17.988,-49.012 C20.1@-17.988,-49.75
  Bottom Layer w0.508: D7.A@-21.7,-47.5 D12.K@-19.05,-47.5 ; D12.K@-18.8,-47.5 -17.298,-47.5 -17,-47.798 -17,-49 -16.5,-49.5 -13,-49.5 -7.73,-44.23 X2.8@-4.445,-44.23 -4.445,-45.5 X2.7@-3.175,-46.77
NetC20_2: C20.2 R16.1 | length 1.5
  Bottom Layer w0.254: R16.1@-20.988,-49.75 C20.2@-19.512,-49.75
NetC21_1: C21.1 D6.A D11.K X2.4 X2.5 | length 28.4
  Bottom Layer w0.254: D11.K@-18.25,-52.55 -18.25,-53.25 -17.988,-53.512 C21.1@-17.988,-54.25
  Bottom Layer w0.508: D6.A@-21.7,-52 D11.K@-19.05,-52 ; D11.K@-18.8,-52 -17.298,-52 -17,-51.702 -17,-50.75 -16.5,-50.25 -12.25,-50.25 -10.25,-48.25 -2.115,-48.25 X2.5@-0.635,-46.77 0.635,-45.5 X2.4@0.635,-44.23
NetC21_2: C21.2 R17.1 | length 1.5
  Bottom Layer w0.254: R17.1@-20.988,-54.25 C21.2@-19.512,-54.25
NetC22_1: C22.1 D5.A D10.K T1.15 | length 15.2
  Bottom Layer w0.152: D10.K@-18.8,-43 D10.K@-18.25,-43.55
  Bottom Layer w0.254: D10.K@-18.25,-43.55 -18.25,-44.25 -17.988,-44.512 C22.1@-17.988,-45.25
  Bottom Layer w0.508: T1.15@-23.425,-35.505 -23.425,-37.175 -24,-37.75 -24,-42.5 -23.5,-43 D5.A@-21.7,-43 D10.K@-18.8,-43
NetC22_2: C22.2 R18.1 | length 1.5
  Bottom Layer w0.254: R18.1@-20.988,-45.25 C22.2@-19.512,-45.25
NetC23_1: C23.1 D4.A D9.K T1.10 | length 9.2
  Bottom Layer w0.254: D9.K@-18.25,-39.05 -18.25,-39.75 -17.988,-40.012 C23.1@-17.988,-40.75
  Bottom Layer w0.508: D4.A@-21.7,-38.5 -17.5,-38.5 -17.075,-38.075 T1.10@-17.075,-35.505
NetC23_2: C23.2 R19.1 | length 1.2
  Bottom Layer w0.254: R19.1@-20.738,-40.75 C23.2@-19.512,-40.75
NetC24_1: C24.1 R13.2 TP7.1 U3.5 | length 4.9
  Bottom Layer w0.254: U3.5@15.75,-53.25 15.75,-52.25 16,-52 16,-51.262 R13.2@16.012,-51.25 16.012,-50 C24.1@16.012,-49.75 16.012,-48.512 TP7.1@16,-48.5
NetC25_2: C25.2 R12.2 TP6.1 U3.16 | length 17.3
  Top Layer w0.254: v1(11.25,-57) 12.25,-56 17.75,-56 TP6.1@22.25,-51.5
  Bottom Layer w0.254: C25.2@11.238,-56 C25.2@11.25,-56.012 ; v1(11.25,-57) C25.2@11.25,-56.012 ; U3.16@13,-56 11.262,-56 C25.2@11.25,-56.012 ; R12.2@21.012,-51.5 TP6.1@22.25,-51.5
NetC26_1: C26.1 D13.1 R14.2 R23.1 TP10.1 | length 6.8
  Bottom Layer w0.152: R14.2@28.75,-28.488 R23.1@30.25,-28.488 ; D13.1@32.05,-28.55 31.988,-28.488 R23.1@30.25,-28.488 ; C26.1@32.238,-27 TP10.1@30.25,-27 R23.1@30.25,-28.488
NetC26_2: C26.2 D13.2 K1.2 | length 6.8
  Bottom Layer w0.152: C26.2@33.762,-27 33.762,-27.662 33.95,-27.85 D13.2@33.95,-28.55 33.95,-29.7 34.27,-30.02 K1.2@34.27,-33.555
NetC27_2: C27.2 R16.2 R17.2 R18.2 R19.2 | length 37.3
  Top Layer w0.254: v1(-23.2,-40.75) v1(-23.2,-45.25) -23.2,-48.5 -18.2,-53.5 v1(-9,-53.5)
  Bottom Layer w0.254: v1(-23.2,-40.75) R19.2@-22.462,-40.75 ; R17.2@-22.462,-54.25 -22.95,-54.25 -23.2,-54 -23.2,-49.75 ; R16.2@-22.462,-49.75 -23.2,-49.75 ; R18.2@-22.462,-45.25 v1(-23.2,-45.25) -23.2,-49.75 ; C27.2@-9,-55 v1(-9,-53.5)
NetC32_2: C32.2 U5.5 | length 1.9
  Bottom Layer w0.152: U5.5@68.31,0.25 68.75,0.25 69.262,0.762 C32.2@69.762,0.762 ; C32.2@69.75,0.75 C32.2@69.762,0.762 ; C32.2@70,0.762 C32.2@69.762,0.762
NetC53_2: C53.2 C54.2 C55.1 L3.2 U6.7 U6.22 U6.23 | length 23.9
  Top Layer w0.381: v1(27.625,23.164) 30.995,26.533 v1(37.217,26.533)
  Bottom Layer w0.381: L3.2@25.532,17.968 C53.2@24.578,18.922 25.75,20.095 25.75,20.481 25.289,20.942 C55.1@25.289,20.961 25.423,20.961 26,21.538 ; U6.23@25.987,22.916 U6.23@25.987,23.08 25.98,23.08 25.344,22.444 25.344,22.194 26,21.538 ; v1(27.625,23.164) U6.22@26.764,22.303 26,21.538 ; v1(37.217,26.533) U6.7@38.078,27.394 39.166,28.482 39.744,28.482 C54.2@39.75,28.488
NetC56_1: C56.1 L4.1 R33.2 | length 2.4
  Bottom Layer w0.381: R33.2@41,28.512 ccw(c41.029,28.541) 41.029,28.5 L4.1@43.395,28.5
NetD1_A: D1.A X1.A4 X1.A9 X1.B4 X1.B9 | length 33.7
  Top Layer w0.356: -39,0 -37.5,0 ; -32.5,0 -31,0
  Top Layer w0.635: -39,0 -39.25,0 -39.75,-0.5 v1(-39.75,-4.25) v1(-39.75,-5.25) v1(-39.75,-6.25) -32.25,-6.25 -30.25,-4.25 -30.25,-0.5 -30.75,0 -31,0 ; -37.5,0 -37.3,0 ; X1.B4@-37.3,-0.7 -37.3,0 ; X1.A9@-37.3,0.7 -37.3,0 ; X1.B9@-32.7,-0.7 -32.7,0 ; X1.A4@-32.7,0.7 -32.7,0 ; -32.5,0 -32.7,0
  Bottom Layer w0.635: D1.A@-37.942,-6.25 v1(-39.75,-6.25) v1(-39.75,-5.25) v1(-39.75,-4.25) -37.942,-4.25 D1.A@-37.862,-4.33
NetD3_A: D3.A T2.3 U3.18 | length 23.3
  Mid-Layer 1 w0.508: v1(10.25,-55.25) v1(11,-55.25) v1(11.75,-55.25) 14.25,-55.25 20.25,-49.25 v1(20.25,-47.5) ; v1(19.5,-47.5) v1(20.25,-47.5) ; v1(21,-47.5) v1(20.25,-47.5)
  Bottom Layer w0.254: v1(10.25,-55.25) v1(11,-55.25) v1(11.75,-55.25) 12.25,-55.25 12.5,-55 U3.18@13,-55
  Bottom Layer w0.508: v1(19.5,-47.5) v1(20.25,-47.5) ; D3.A@20.2,-49.25 20.25,-49.2 v1(20.25,-47.5) ; T2.3@20.25,-46.025 v1(20.25,-47.5) ; v1(21,-47.5) v1(20.25,-47.5)
NetD4_K: D4.K D5.K D6.K D7.K L1.1 | length 17.7
  Bottom Layer w0.508: L1.1@-27.734,-35.5 -26.75,-35.5 -26.3,-35.95 D4.K@-26.3,-38.5 D5.K@-26.3,-43 D7.K@-26.3,-47.5 D6.K@-26.3,-52
NetD8_A: D8.A T2.2 | length 2.1
  Bottom Layer w0.508: D8.A@17.75,-48.13 T2.2@17.75,-46.025
NetD8_K: D8.K R12.1 | length 1.8
  Bottom Layer w0.254: D8.K@17.75,-51.37 18.62,-51.37 18.75,-51.5 R12.1@19.488,-51.5
NetD9_A: D9.A D10.A D11.A D12.A L2.1 | length 25.9
  Top Layer w0.508: v1(-16,-52.75) v1(-16,-52) v1(-16,-48.75) v1(-16,-48)
  Bottom Layer w0.508: v1(-16,-48.75) v1(-16,-48) -16,-47.5 ; L2.1@-14.25,-54.484 -14.274,-54.46 -15.54,-54.46 -16,-54 v1(-16,-52.75) v1(-16,-52) D11.A@-14.2,-52 ; D12.A@-14.2,-47.5 -16,-47.5 ; D10.A@-14.2,-43 -16,-43 ; D9.A@-14.2,-38.5 -15.5,-38.5 -16,-39 -16,-43 ; -16,-47.5 -16,-43
NetD14_A: D14.A K2.D Q1.2 | length 7.1
  Bottom Layer w0.381: D14.A@-48.38,-8.75 -47,-8.75 -46.45,-9.3 Q1.2@-46.45,-11.45 -46.4,-11.5 K2.D@-43.7,-11.5
NetD15_A: D15.A X6.A4 X6.A9 X6.B4 X6.B9 | length 33.7
  Top Layer w0.356: 31,0 32.5,0 ; 37.5,0 39,0
  Top Layer w0.635: 31,0 30.75,0 30.25,-0.5 30.25,-4.25 32.25,-6.25 v1(39.75,-6.25) v1(39.75,-5.25) v1(39.75,-4.25) 39.75,-0.5 39.25,0 39,0 ; 32.5,0 32.7,0 ; X6.A4@32.7,-0.7 32.7,0 ; X6.B9@32.7,0.7 32.7,0 ; X6.A9@37.3,-0.7 37.3,0 ; X6.B4@37.3,0.7 37.3,0 ; 37.5,0 37.3,0
  Bottom Layer w0.635: D15.A@37.862,-4.33 37.942,-4.25 v1(39.75,-4.25) v1(39.75,-5.25) v1(39.75,-6.25) D15.A@37.942,-6.25
  other v1: 39.75,-6.25 39.75,-5.25 39.75,-4.25
NetK1_1: K1.1 R15.1 | length 3.5
  Bottom Layer w0.152: R15.1@30.262,-31.25 31.25,-31.25 31.73,-31.73 K1.1@31.73,-33.555
NetK1_4: K1.4 R13.1 U3.3 | length 25.7
  Top Layer w0.152: v1(13.75,-50.5) 14.75,-49.5 26.75,-49.5 v1(31.75,-44.5)
  Bottom Layer w0.152: v1(13.75,-50.5) 13.75,-51 14,-51.25 R13.1@14.488,-51.25 ; R13.1@14.5,-51.512 14.5,-52 14.75,-52.25 U3.3@14.75,-53.25 ; K1.4@31.73,-42.445 31.75,-42.465 v1(31.75,-44.5)
NetK3_D: K3.D P4.4 R32.1 | length 40.8
  Top Layer w0.152: v1(-1.75,41.45) P4.4@-0.75,41.45
  Bottom Layer w0.152: v1(-1.75,41.45) 20.55,41.45 22.8,39.2 22.8,31.6 23.114,31.286 K3.D@23.114,27.756 24.006,27.756 24.444,28.194 R32.1@25.654,28.194